# Altium PCB DM1098FFC.PcbDoc (part 1 of 3) (continued)
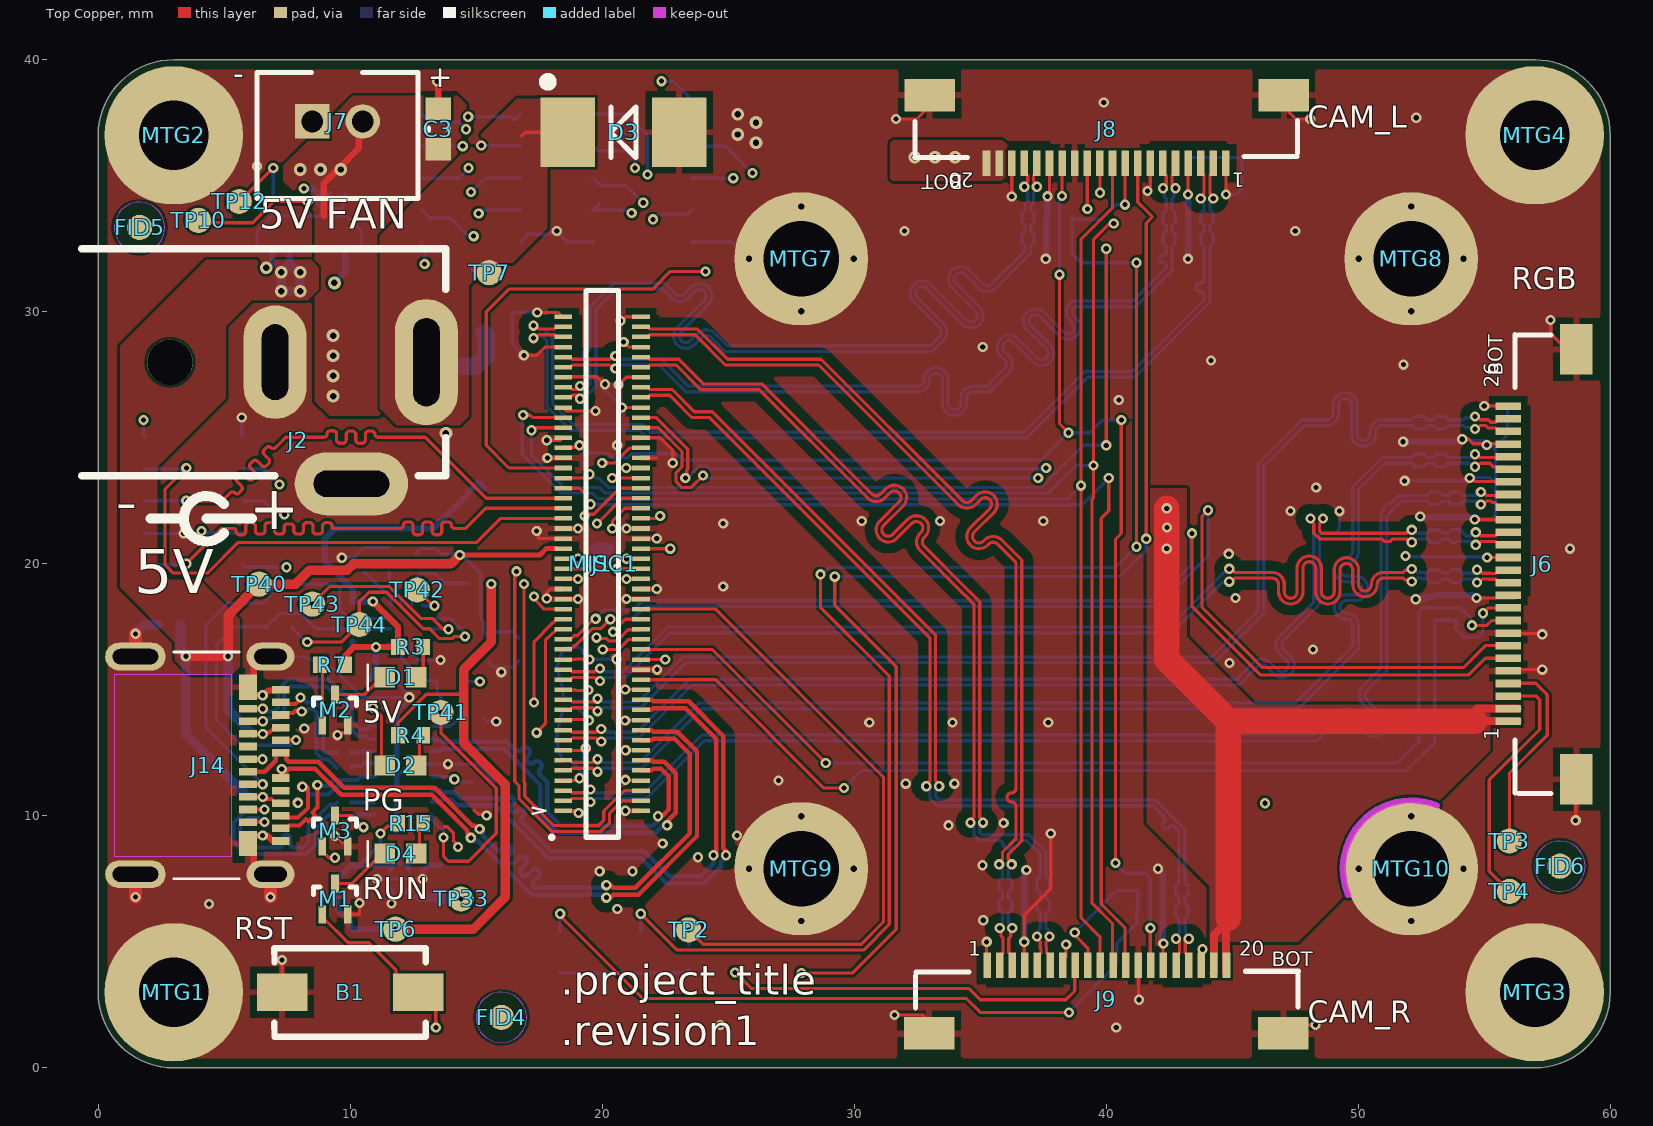
[diagram p0: Top Copper view]
## Part data (continued)
J3 J4 J5: "CONN HEADER SMD 10POS 1.27MM", Color=Black, Contact Resistance=30mR, Manufacturer 1="Amphenol FCI", Max Operating Temperature=85°C, Max Voltage Rating (AC)=125V, Min Operating Temperature=-40°C, Package Quantity=93, Supplier Part Number 1=609-6529-ND, ComponentLink1Description=https://datasheet.ciiva.com/18659/20021121-18659066.pdf?src-supplier=Digi-Key, ComponentLink1URL=https://datasheet.ciiva.com/18659/20021121-18659066.pdf?src-supplier=Digi-Key, ComponentLink2Description=https://datasheet.ciiva.com/10033/20021121-10033582.pdf?src-supplier=Avnet, ComponentLink2URL=https://datasheet.ciiva.com/10033/20021121-10033582.pdf?src-supplier=Avnet, Connector Type="Male Pin", Contact Material="Copper Alloy", Contact Mating Length=0.12inch, Contact Plating=Gold, Depth=3.4mm, Housing Color=Black, Housing Material=Thermoplastic, Length=6.35mm, Manufacturer Part Number 1=20021121-00010T1LF, Mount="Surface Mount", Number of Contacts=10, Number of Positions=10, Number of Rows=2, Orientation=Straight, Packaging=Rail/Tube, Pitch=1.27mm, Pricing 1="1=0.77000, 10=0.71800, 100=0.55040, 500=0.47860, 1000=0.39485, 5000=0.34699, 10000=0.32306 (USD)", RoHS=Yes, Row Spacing=0.05inch, Stock 1=1465, Supplier 1=Digi-Key, Supplier 2=Mouser, Supplier 3=TTI, Supplier Part Number 2=649-200211210010T1LF, Supplier Part Number 3=20021121-00010T1LF, Termination=Solder
J6: library part 5052782633, "0.5 Ffc Zif Btm Cont Embt Pkg 0.5 Fpc Zif Btm FS19", Current Rating=500mA, Flammability Rating="UL94 V-0", Manufacturer 1=Molex, Manufacturer Part Number 1=505278-2633, Max Operating Temperature=85°C, Min Operating Temperature=-40°C, Supplier Part Number 1=WM24290CT-ND, Voltage Rating=50V, Actuator Material=Nylon,Glass,Polyamide, Category=Connectors, ComponentLink1Description=http://www.molex.com/pdm_docs/sd/5052782633_sd.pdf?src-supplier=Digi-Key, ComponentLink1URL=http://www.molex.com/pdm_docs/sd/5052782633_sd.pdf?src-supplier=Digi-Key, Contact Material=Bronze, Contact Plating=Tin, Housing Material=Polymer, Mount="Surface Mount", Number of Positions=26, Packaging="Tape and Reel", Pitch=0.02inch, Pricing 1="1=0,85000, 10=0,70400, 100=0,58660, 1000=0,46928 (USD)", RoHS=Yes, Stock 1=8571, Supplier 1=Digi-Key, Termination=Solder
J7: "CONN HEADER VERT 2POS 2MM", Color=Natural, Contact Resistance=20mR, Current Rating=2A, Housing Color=White, Insulation Resistance=1MR, Manufacturer 1=JST, Max Operating Temperature=85°C, Max Voltage Rating (AC)=100V, Min Operating Temperature=-25°C, Supplier Part Number 1=455-1704-ND, ComponentLink1Description=https://datasheet.ciiva.com/6747/80560-6747392.pdf?src-supplier=Newark, ComponentLink1URL=https://datasheet.ciiva.com/6747/80560-6747392.pdf?src-supplier=Newark, ComponentLink2Description=https://datasheet.ciiva.com/11746/0900766b8082f551-11746676.pdf?src-supplier=RSComponents, ComponentLink2URL=https://datasheet.ciiva.com/11746/0900766b8082f551-11746676.pdf?src-supplier=RSComponents, ComponentLink3Description=https://datasheet.ciiva.com/8052/80560-8052022.pdf?src-supplier=Element14, ComponentLink3URL=https://datasheet.ciiva.com/8052/80560-8052022.pdf?src-supplier=Element14, ComponentLink4Description=https://datasheet.ciiva.com/712/eph-712442.pdf?src-supplier=Digi-Key, ComponentLink4URL=https://datasheet.ciiva.com/712/eph-712442.pdf?src-supplier=Digi-Key, ComponentLink5Description=https://datasheet.ciiva.com/16422/b2b-ph-k-slfsn-16422715.pdf?src-supplier=Future+Electronics, ComponentLink5URL=https://datasheet.ciiva.com/16422/b2b-ph-k-slfsn-16422715.pdf?src-supplier=Future+Electronics, Connector Type="Male Pin", Contact Material=Brass, Contact Mating Length=0.13inch, Contact Plating=Tin, Depth=4.5mm, Fastening Type=Detent, Gender=Male, Height=9.4mm, Housing Material=Polyamide, Lead Free="Lead Free", Lead Pitch=2mm, Length=5.9mm, Manufacturer Part Number 1=B2B-PH-K-S(LF)(SN), Max Current Rating=2A, Max Voltage Rating (DC)=100V, Mount="Through Hole", Number of Contacts=2, Number of Pins=2, Number of Poles=2, Number of Positions=2, Number of Rows=1, Orientation=Straight, Packaging=Bulk, Pitch=2mm, Pricing 1="1 = 0.170000, 10 = 0.162000, 100 = 0.100200, 500 = 0.082880, 1000 = 0.072520, 5000 = 0.062160, 10000 = 0.060440 (USD)", REACH SVHC="No SVHC", RoHS=Yes, Stock 1=216199, Supplier 1=Digi-Key, Termination=Solder, Voltage Rating=100V, Voltage Rating (AC)=100V, Width=4.5mm, Working Voltage=100V
J8 J9: library part 5052782033, "0.5 Ffc Zif Btm Cont Embt Pkg 0.5 Fpc Zif Btm FS19", Current Rating=500mA, Flammability Rating="UL94 V-0", Manufacturer 1=Molex, Manufacturer Part Number 1=505278-2033, Max Operating Temperature=85°C, Min Operating Temperature=-40°C, Voltage Rating=50V, Actuator Material=Nylon,Glass,Polyamide, Category=Connectors, ComponentLink1Description=http://www.molex.com/pdm_docs/sd/5052782033_sd.pdf?src-supplier=Digi-Key, ComponentLink1URL=http://www.molex.com/pdm_docs/sd/5052782033_sd.pdf?src-supplier=Digi-Key, Contact Material=Bronze, Contact Plating=Tin, Housing Material=Polymer, Mount="Surface Mount", Number of Positions=20, Packaging="Tape and Reel", Pitch=0.02inch, Pricing 1="1=0,71000, 10=0,59800, 100=0,46540, 1000=0,36564 (USD)", RoHS=Yes, Stock 1=13841, Supplier 1=Digi-Key, Termination=Solder
J14: library part 105450-0101, "CONN RCP USB3.1 TYPEC 24P SMD RA", Case/Package=0101, Current Rating=5A, Flammability Rating="UL94 V-0", Insulation Color=Black, Manufacturer 1=Molex, Max Operating Temperature=85°C, Min Operating Temperature=-30°C, Supplier Part Number 1=WM12856CT-ND, ComponentLink1Description=http://www.farnell.com/datasheets/2673427.pdf?src-supplier=Farnell, ComponentLink1URL=http://www.farnell.com/datasheets/2673427.pdf?src-supplier=Farnell, ComponentLink2Description=http://www.farnell.com/datasheets/2801634.pdf?src-supplier=Farnell, ComponentLink2URL=http://www.farnell.com/datasheets/2801634.pdf?src-supplier=Farnell, ComponentLink3Description=http://www.farnell.com/datasheets/2672741.pdf?src-supplier=Newark, ComponentLink3URL=http://www.farnell.com/datasheets/2672741.pdf?src-supplier=Newark, ComponentLink4Description=https://www.molex.com/pdm_docs/sd/1054500101_sd.pdf?src-supplier=Digi-Key, ComponentLink4URL=https://www.molex.com/pdm_docs/sd/1054500101_sd.pdf?src-supplier=Digi-Key, ComponentLink5Description=https://www.molex.com/pdm_docs/ps/PS-105448-001.pdf?src-supplier=Digi-Key, ComponentLink5URL=https://www.molex.com/pdm_docs/ps/PS-105448-001.pdf?src-supplier=Digi-Key, ComponentLink6Description=http://www.farnell.com/datasheets/2015275.pdf?src-supplier=Element14, ComponentLink6URL=http://www.farnell.com/datasheets/2015275.pdf?src-supplier=Element14, ComponentLink7Description=http://www.literature.molex.com/SQLImages/kelmscott/Molex/PDF_Images/987651-4081.PDF?src-supplier=Avnet, ComponentLink7URL=http://www.literature.molex.com/SQLImages/kelmscott/Molex/PDF_Images/987651-4081.PDF?src-supplier=Avnet, ComponentLink8Description=http://www.literature.molex.com/SQLImages/kelmscott/Molex/PDF_Images/987651-4081.PDF?src-supplier=Avnet+Asia, ComponentLink8URL=http://www.literature.molex.com/SQLImages/kelmscott/Molex/PDF_Images/987651-4081.PDF?src-supplier=Avnet+Asia, Connector Type=USB, Contact Material="Copper Alloy", Contact Plating=Gold, Features=Shielded, Gender=Receptacle, Housing Material=Thermoplastic, Length=8.94mm, Manufacturer Part Number 1=105450-0101, Mating Cycles=10000, Mount="Surface Mount,Through Hole,Horizontal", Number of Contacts=24, Number of Pins=24, Number of Ports=1, Number of Terminals=24, Orientation="Right Angle", Packaging="Tape and Reel", Pitch=0.5mm, Pricing 1="1=2.15000, 10=1.94900, 25=1.82960, 50=1.75000, 100=1.67050, 250=1.51140, 500=1.39208 (USD)", REACH SVHC=Unknown, RoHS=Yes, Shielding=Shielded, Stock 1=13882, Supplier 1=Digi-Key, Termination=Solder, USB Standard="USB 3.1"
M1 M2 M3: "MOSFET N-CH 20V 0.2A EMT3", Case/Package=SOT-89, Continuous Drain Current (ID)=200mA, Drain to Source Voltage (Vdss)=20V, Input Capacitance=25pF, Manufacturer 1=Rohm, Max Power Dissipation=150mW, Supplier Part Number 1=RE1C002UNTCLCT-ND, ComponentLink1Description=http://www.mouser.com/ds/2/348/re1c002untcl-e-1018231.pdf?src-supplier=Mouser, ComponentLink1URL=http://www.mouser.com/ds/2/348/re1c002untcl-e-1018231.pdf?src-supplier=Mouser, ComponentLink2Description=http://rohmfs.rohm.com/en/techdata_basic/transistor/taping/EMT3_TL_taping.pdf?src-supplier=Digi-Key, ComponentLink2URL=http://rohmfs.rohm.com/en/techdata_basic/transistor/taping/EMT3_TL_taping.pdf?src-supplier=Digi-Key, ComponentLink3Description=http://rohmfs.rohm.com/en/products/databook/datasheet/discrete/transistor/mosfet/re1c002un.pdf?src-supplier=Avnet, ComponentLink3URL=http://rohmfs.rohm.com/en/products/databook/datasheet/discrete/transistor/mosfet/re1c002un.pdf?src-supplier=Avnet, ComponentLink4Description=https://www.rohm.com/datasheet/RE1C002UN/re1c002untcl-e?src-supplier=Digi-Key, ComponentLink4URL=https://www.rohm.com/datasheet/RE1C002UN/re1c002untcl-e?src-supplier=Digi-Key, ComponentLink5Description=http://www.farnell.com/datasheets/2704376.pdf?src-supplier=Newark, ComponentLink5URL=http://www.farnell.com/datasheets/2704376.pdf?src-supplier=Newark, ComponentLink6Description=http://www.farnell.com/datasheets/2704376.pdf?src-supplier=Farnell, ComponentLink6URL=http://www.farnell.com/datasheets/2704376.pdf?src-supplier=Farnell, ComponentLink7Description=http://www.farnell.com/datasheets/2704376.pdf?src-supplier=Element14, ComponentLink7URL=http://www.farnell.com/datasheets/2704376.pdf?src-supplier=Element14, Lead Free="Lead Free", Manufacturer Part Number 1=RE1C002UNTCL, Mount="Surface Mount", Packaging="Tape and Reel", Pricing 1="1=0.20000, 10=0.18200, 100=0.09930, 500=0.06112, 1000=0.04167 (USD)", Rds On Max=1.2R, RoHS=Yes, Stock 1=868886, Supplier 1=Digi-Key
MISC1: library part BW1099_Footprint, "MISC - Use for aligning BW1099 mount"
MTG1 MTG2 MTG3 MTG4: "=CurrentFootprint", B - Value="Not a Part", A - Level=0
MTG7 MTG8 MTG9 MTG10: library part 9774030243R, "MP ROUND STANDOFF M2X0.4 STEEL 3MM", Manufacturer 1="Wurth Electronics", Supplier Part Number 1=732-7085-1-ND, ComponentLink1Description=http://www.mouser.com/ds/2/445/9774030243R-611455.pdf?src-supplier=Mouser, ComponentLink1URL=http://www.mouser.com/ds/2/445/9774030243R-611455.pdf?src-supplier=Mouser, ComponentLink2Description=http://www.farnell.com/datasheets/1960368.pdf?src-supplier=Farnell, ComponentLink2URL=http://www.farnell.com/datasheets/1960368.pdf?src-supplier=Farnell, ComponentLink3Description=https://katalog.we-online.de/em/datasheet/9774030243R.pdf?src-supplier=Digi-Key, ComponentLink3URL=https://katalog.we-online.de/em/datasheet/9774030243R.pdf?src-supplier=Digi-Key, ComponentLink4Description=http://www.farnell.com/datasheets/1960368.pdf?src-supplier=Newark, ComponentLink4URL=http://www.farnell.com/datasheets/1960368.pdf?src-supplier=Newark, ComponentLink5Description=http://www.farnell.com/datasheets/1960368.pdf?src-supplier=Element14, ComponentLink5URL=http://www.farnell.com/datasheets/1960368.pdf?src-supplier=Element14, Length=0.173inch, Manufacturer Part Number 1=9774030243R, Material=Steel, Outside Diameter=0.171inch, Plating=Tin, Pricing 1="1=0.95000, 10=0.91800, 50=0.79500, 100=0.73900 (USD)", REACH SVHC=Unknown, RoHS=Yes, Stock 1=20568, Supplier 1=Digi-Key, Supplier 2=Mouser, Supplier 3=Element14, Supplier Part Number 2=710-9774030243R, Supplier Part Number 3=2497599, Threaded/Unthreaded=Threaded
R2 R31 R32 R183 R185 R186 R213 R214 RZ28 RZ29: library part RC0402FR-1310KL, "RES SMD 10K OHM 1% 0402 1/16W Chip Resistor, 0402 [1005 Metric], 10 kohm, RC Series, 50 V, Thick Film, 62.5 mW", Case/Package=0402, Case Code (Metric)=1005, Manufacturer 1=Yageo, Max Operating Temperature=155°C, Min Operating Temperature=-55°C, Power Rating=62.5mW, Resistance=10kR, Supplier Part Number 1=67R9960, Temperature Coefficient=100ppm/°C, Tolerance=1%, Voltage Rating=50V, Case Code (Imperial)=0402, ComponentLink1Description=https://datasheet.ciiva.com/16940/pyu-rc0402-51-rohs-l-6-16940293.pdf?src-supplier=Avnet+Europe, ComponentLink1URL=https://datasheet.ciiva.com/16940/pyu-rc0402-51-rohs-l-6-16940293.pdf?src-supplier=Avnet+Europe, ComponentLink2Description=https://datasheet.ciiva.com/28386/pyu-rc0402-51-rohs-l-6-28386855.pdf?src-supplier=Avnet+Europe, ComponentLink2URL=https://datasheet.ciiva.com/28386/pyu-rc0402-51-rohs-l-6-28386855.pdf?src-supplier=Avnet+Europe, ComponentLink3Description=https://datasheet.ciiva.com/16740/pyu-rc0402-51-rohs-l-6-r-16740602.pdf?src-supplier=Future+Electronics, ComponentLink3URL=https://datasheet.ciiva.com/16740/pyu-rc0402-51-rohs-l-6-r-16740602.pdf?src-supplier=Future+Electronics, ComponentLink4Description=https://datasheet.ciiva.com/8891/pyu-rc0402-51-rohs-l-6-8891339.pdf?src-supplier=Avnet, ComponentLink4URL=https://datasheet.ciiva.com/8891/pyu-rc0402-51-rohs-l-6-8891339.pdf?src-supplier=Avnet, ComponentLink5Description=https://datasheet.ciiva.com/5557/pyu-rc0402-51-rohs-l-6-r-5557997.pdf?src-supplier=Mouser, ComponentLink5URL=https://datasheet.ciiva.com/5557/pyu-rc0402-51-rohs-l-6-r-5557997.pdf?src-supplier=Mouser, ComponentLink6Description=https://datasheet.ciiva.com/7983/1018594-7983533.pdf?src-supplier=Element14, ComponentLink6URL=https://datasheet.ciiva.com/7983/1018594-7983533.pdf?src-supplier=Element14, Composition="Thick Film", Contact Plating=Tin,Matte,Lead, Depth=0.5mm, Lead Free="Lead Free", Length=1mm, Manufacturer Part Number 1=RC0402FR-1310KL, Military Standard=Not, Number of Pins=2, Number of Terminations=2, Packaging="Tape and Reel", Pricing 1="1=0.10000, 25=0.01200, 100=0.00400, 250=0.00400, 500=0.00300, 1000=0.00300 (USD)", Radiation Hardening=No, REACH SVHC="No SVHC", RoHS=Yes, Stock 1=62239, Supplier 1=Newark, Termination=SMD/SMT, Voltage Rating (DC)=50V, Working Voltage=50V
R3 R4 R7 R15: library part RC0402FR-071KL, "RES SMD 1K OHM 1% 1/16W 0402 1 kOhms ±1% 0.063W, 1/16W Chip Resistor 0402 (1005 Metric) Moisture Resistant Thick Film", Case/Package=0402, Case Code (Metric)=1005, Manufacturer 1=Yageo, Max Operating Temperature=155°C, Min Operating Temperature=-55°C, Power Rating=62.5mW, Resistance=1kR, Supplier Part Number 1=311-1.00KLRCT-ND, Temperature Coefficient=100ppm/°C, Tolerance=1%, Voltage Rating=50V, Case Code (Imperial)=0402, ComponentLink1Description=https://datasheet.ciiva.com/11819/0900766b80c66297-11819477.pdf?src-supplier=RSComponents, ComponentLink1URL=https://datasheet.ciiva.com/11819/0900766b80c66297-11819477.pdf?src-supplier=RSComponents, ComponentLink2Description=https://datasheet.ciiva.com/12666/pyu-rc0402-51-rohs-l-6-r-12666741.pdf?src-supplier=Mouser, ComponentLink2URL=https://datasheet.ciiva.com/12666/pyu-rc0402-51-rohs-l-6-r-12666741.pdf?src-supplier=Mouser, ComponentLink3Description=https://datasheet.ciiva.com/17063/pyu-rc0402-51-rohs-l-6-r-17063193.pdf?src-supplier=Future+Electronics, ComponentLink3URL=https://datasheet.ciiva.com/17063/pyu-rc0402-51-rohs-l-6-r-17063193.pdf?src-supplier=Future+Electronics, ComponentLink4Description=https://datasheet.ciiva.com/22747/1018594-22747513.pdf?src-supplier=Element14, ComponentLink4URL=https://datasheet.ciiva.com/22747/1018594-22747513.pdf?src-supplier=Element14, ComponentLink5Description=https://datasheet.ciiva.com/7849/1018594-7849869.pdf?src-supplier=Element14, ComponentLink5URL=https://datasheet.ciiva.com/7849/1018594-7849869.pdf?src-supplier=Element14, ComponentLink6Description=https://datasheet.ciiva.com/7983/1018594-7983502.pdf?src-supplier=Element14, ComponentLink6URL=https://datasheet.ciiva.com/7983/1018594-7983502.pdf?src-supplier=Element14, ComponentLink7Description=https://datasheet.ciiva.com/7849/1018594-7849871.pdf?src-supplier=Element14, ComponentLink7URL=https://datasheet.ciiva.com/7849/1018594-7849871.pdf?src-supplier=Element14, Composition="Thick Film", Depth=0.5mm, Height=0.32mm, Lead Free="Lead Free", Length=1mm, Manufacturer Part Number 1=RC0402FR-071KL, Military Standard=Not, Number of Pins=2, Packaging="Tape and Reel", Pricing 1="1=0.10000, 10=0.01600, 100=0.00670, 1000=0.00301, 2500=0.00261, 5000=0.00215 (USD)", REACH SVHC=Unknown, RoHS=Yes, Stock 1=60695854, Supplier 1=Digi-Key, Termination=SMD/SMT, Voltage Rating (DC)=50V, Width=0.5mm
R6 R10 R12: library part CRCW06030000Z0EA, "RES SMD 0 OHM JUMPER 1/10W 0603 0 Ohms Jumper 0.1W, 1/10W Chip Resistor 0603 (1608 Metric) Automotive AEC-Q200 Thick Film", Case/Package=0603, Case Code (Metric)=1608, Current Rating=2A, Manufacturer 1=Vishay, Manufacturer Part Number 1=CRCW0603-0000Z0EA, Max Operating Temperature=155°C, Max Power Dissipation=100mW, Min Operating Temperature=-55°C, Package Quantity=1, Resistance=0mR, Supplier Part Number 1=541-0.0GCT-ND, Temperature Coefficient=100ppm/°C, Tolerance=5%, Voltage Rating=75V, Case Code (Imperial)=0603, ComponentLink1Description=https://datasheet.ciiva.com/2461/dcrcwe3-2461968.pdf?src-supplier=Digi-Key, ComponentLink1URL=https://datasheet.ciiva.com/2461/dcrcwe3-2461968.pdf?src-supplier=Digi-Key, ComponentLink2Description=https://datasheet.ciiva.com/2461/dcrcwe3-2461969.pdf?src-supplier=Digi-Key, ComponentLink2URL=https://datasheet.ciiva.com/2461/dcrcwe3-2461969.pdf?src-supplier=Digi-Key, ComponentLink3Description=https://datasheet.ciiva.com/2461/dcrcwe3-2461970.pdf?src-supplier=Digi-Key, ComponentLink3URL=https://datasheet.ciiva.com/2461/dcrcwe3-2461970.pdf?src-supplier=Digi-Key, ComponentLink4Description=https://datasheet.ciiva.com/8340/dcrcwe3-8340197.pdf?src-supplier=Avnet, ComponentLink4URL=https://datasheet.ciiva.com/8340/dcrcwe3-8340197.pdf?src-supplier=Avnet, ComponentLink5Description=https://datasheet.ciiva.com/16941/dcrcw-16941302.pdf?src-supplier=Avnet+Europe, ComponentLink5URL=https://datasheet.ciiva.com/16941/dcrcw-16941302.pdf?src-supplier=Avnet+Europe, ComponentLink6Description=https://datasheet.ciiva.com/16199/dcrcwe3-16199063.pdf?src-supplier=Future+Electronics, ComponentLink6URL=https://datasheet.ciiva.com/16199/dcrcwe3-16199063.pdf?src-supplier=Future+Electronics, ComponentLink7Description=https://datasheet.ciiva.com/16725/70201119-16725175.pdf?src-supplier=Allied+Electronics, ComponentLink7URL=https://datasheet.ciiva.com/16725/70201119-16725175.pdf?src-supplier=Allied+Electronics, ComponentLink8Description=https://datasheet.ciiva.com/26316/fld-crcw-e3-data-en-26316615.pdf?src-supplier=Distrelec, ComponentLink8URL=https://datasheet.ciiva.com/26316/fld-crcw-e3-data-en-26316615.pdf?src-supplier=Distrelec, ComponentLink9Description=https://datasheet.ciiva.com/5544/dcrcwe3-109170-5544344.pdf?src-supplier=Mouser, ComponentLink9URL=https://datasheet.ciiva.com/5544/dcrcwe3-109170-5544344.pdf?src-supplier=Mouser, ComponentLink10Description=https://datasheet.ciiva.com/7841/1720486-7841816.pdf?src-supplier=Element14, ComponentLink10URL=https://datasheet.ciiva.com/7841/1720486-7841816.pdf?src-supplier=Element14, ComponentLink11Description=https://datasheet.ciiva.com/7841/1720486-7841817.pdf?src-supplier=Element14, ComponentLink11URL=https://datasheet.ciiva.com/7841/1720486-7841817.pdf?src-supplier=Element14, ComponentLink12Description=https://datasheet.ciiva.com/7841/125364-7841818.pdf?src-supplier=Element14, ComponentLink12URL=https://datasheet.ciiva.com/7841/125364-7841818.pdf?src-supplier=Element14, ComponentLink13Description=https://datasheet.ciiva.com/16721/70201119-16721450.pdf?src-supplier=Allied+Electronics, ComponentLink13URL=https://datasheet.ciiva.com/16721/70201119-16721450.pdf?src-supplier=Allied+Electronics, Composition="Thick Film", Contact Plating=Tin,Lead, Depth=0.85mm, Features="Automotive AEC-Q200", Height=0.02inch, Lead Free="Lead Free", Length=1.55mm, Military Standard=Not, Mount="Surface Mount", Number of Terminations=2, Packaging="Tape and Reel", Power Rating=100mW, Pricing 1="1=0.100000, 10=0.034000, 25=0.024400, 50=0.018600, 100=0.013800, 250=0.010480, 500=0.008400, 1000=0.006180 (USD)", Radiation Hardening=No, REACH SVHC=Unknown, RoHS=Yes, Stock 1=742743, Supplier 1=Digi-Key, Termination=SMD/SMT, Voltage Rating (DC)=75V, Weight=7.1E-05oz, Width=0.033inch, Working Voltage=75V
R187 R190: library part CRCW04021M80FKED, "RES SMD 1.8M OHM 1% 1/16W 0402", Case/Package=0402, Case Code (Metric)=1005, Manufacturer 1=Vishay, Max Operating Temperature=155°C, Min Operating Temperature=-55°C, Package Quantity=10000, Power Rating=63mW, Resistance=1.8MR, Supplier Part Number 1=541-1.80MLCT-ND, Temperature Coefficient=100ppm/°C, Tolerance=1%, Voltage Rating=50V, Case Code (Imperial)=0402, ComponentLink1Description=https://datasheet.ciiva.com/11812/0900766b80d98824-11812579.pdf?src-supplier=RSComponents, ComponentLink1URL=https://datasheet.ciiva.com/11812/0900766b80d98824-11812579.pdf?src-supplier=RSComponents, ComponentLink2Description=https://datasheet.ciiva.com/16886/dcrcwe3-16886536.pdf?src-supplier=Avnet+Europe, ComponentLink2URL=https://datasheet.ciiva.com/16886/dcrcwe3-16886536.pdf?src-supplier=Avnet+Europe, ComponentLink3Description=https://datasheet.ciiva.com/7800/1697337-7800987.pdf?src-supplier=Element14, ComponentLink3URL=https://datasheet.ciiva.com/7800/1697337-7800987.pdf?src-supplier=Element14, ComponentLink4Description=https://datasheet.ciiva.com/16786/70201119-16786875.pdf?src-supplier=Allied+Electronics, ComponentLink4URL=https://datasheet.ciiva.com/16786/70201119-16786875.pdf?src-supplier=Allied+Electronics, ComponentLink5Description=https://datasheet.ciiva.com/22676/1700796-22676027.pdf?src-supplier=Element14, ComponentLink5URL=https://datasheet.ciiva.com/22676/1700796-22676027.pdf?src-supplier=Element14, ComponentLink6Description=https://datasheet.ciiva.com/7800/1697337-7800988.pdf?src-supplier=Element14, ComponentLink6URL=https://datasheet.ciiva.com/7800/1697337-7800988.pdf?src-supplier=Element14, ComponentLink7Description=https://datasheet.ciiva.com/26316/fld-crcw-e3-data-en-26316605.pdf?src-supplier=Distrelec, ComponentLink7URL=https://datasheet.ciiva.com/26316/fld-crcw-e3-data-en-26316605.pdf?src-supplier=Distrelec, ComponentLink8Description=https://datasheet.ciiva.com/8336/dcrcwe3-8336646.pdf?src-supplier=Avnet, ComponentLink8URL=https://datasheet.ciiva.com/8336/dcrcwe3-8336646.pdf?src-supplier=Avnet, Composition="Thick Film", Contact Plating=Tin, Depth=0.5mm, Height=0.35mm, Lead Free="Lead Free", Length=1mm, Manufacturer Part Number 1=CRCW04021M80FKED, Military Standard=Not, Mount="Surface Mount", Number of Pins=2, Packaging="Tape and Reel", Pricing 1="1=0.10000, 10=0.03800, 100=0.01540, 1000=0.00690, 2500=0.00599, 5000=0.00495 (USD)", Radiation Hardening=No, REACH SVHC=Unknown, RoHS=Yes, Stock 1=26061, Supplier 1=Digi-Key, Termination=SMD/SMT, Voltage Rating (DC)=50V, Weight=2.3E-05oz, Width=0.5mm
TP1 TP2 TP3 TP4 TP5 TP6 TP7 TP10 TP12 TP33 TP40 TP41 TP42 TP43 TP44: library part TEST_POINT
U1: "IC REG LINEAR 3.3V 200MA 4X2SON Linear Voltage Regulator IC  1 Output  200mA 4-X2SON (1x1)", Dropout Voltage=250mV, Manufacturer 1="Texas Instruments", Manufacturer Part Number 1=TLV70710DQN, Max Operating Temperature=125°C, Min Current Limit=240mA, Min Operating Temperature=-40°C, Output Current=200mA, Output Voltage=1V, Package Quantity=3000, Quiescent Current=25uA, Supplier Part Number 1=296-28355-1-ND, ComponentLink1Description=http://www.ti.com/lit/gpn/tlv707?src-supplier=Mouser, ComponentLink1URL=http://www.ti.com/lit/gpn/tlv707?src-supplier=Mouser, ComponentLink2Description=http://www.ti.com/lit/ds/symlink/tlv707.pdf?src-supplier=Digi-Key, ComponentLink2URL=http://www.ti.com/lit/ds/symlink/tlv707.pdf?src-supplier=Digi-Key, Lead Free="Lead Free", Mount="Surface Mount", Number of Regulators=1, Packaging="Tape and Reel", RoHS=Yes, Supplier 1=Digi-Key
U2 U3: library part LM66100DCKR, "IC OR CTRLR IDEAL DIODE SC70-6", Manufacturer 1="Texas Instruments", Supplier Part Number 1=296-53541-1-ND, Category="Integrated Circuits (ICs)", Lead Free="Lead Free", Manufacturer Part Number 1=LM66100DCKR, Pricing 1="1=0.41000, 10=0.32900, 25=0.30120, 100=0.20300, 250=0.16800, 500=0.15400, 1000=0.11550 (USD)", RoHS=Yes, Stock 1=8042, Supplier 1=Digi-Key, Supplier 2=Digi-Key, Supplier 3=Mouser, Supplier 4=Arrow, Supplier Part Number 2=296-53541-2-ND, Supplier Part Number 3=595-LM66100DCKR, Supplier Part Number 4=LM66100DCKR
U61: library part HD3SS3212RKSR, "IC MUX 2:1 8 OHM 20VQFN", Case/Package=VQFN, Manufacturer 1="Texas Instruments", Max Operating Temperature=70°C, Max Supply Voltage=3.6V, Min Operating Temperature=0°C, Min Supply Voltage=3V, Supplier Part Number 1=296-42174-1-ND, Bandwidth=8GHz, ComponentLink1Description=http://www.ti.com/general/docs/lit/getliterature.tsp?genericPartNumber=HD3SS3212&&fileType=pdf&src-supplier=Avnet, ComponentLink1URL=http://www.ti.com/general/docs/lit/getliterature.tsp?genericPartNumber=HD3SS3212&&fileType=pdf&src-supplier=Avnet, ComponentLink2Description=http://www.ti.com/general/docs/lit/getliterature.tsp?genericPartNumber=HD3SS3212&amp;&amp;fileType=pdf&src-supplier=Farnell, ComponentLink2URL=http://www.ti.com/general/docs/lit/getliterature.tsp?genericPartNumber=HD3SS3212&amp;&amp;fileType=pdf&src-supplier=Farnell, ComponentLink3Description=http://www.ti.com/lit/ds/symlink/hd3ss3212.pdf?src-supplier=Digi-Key, ComponentLink3URL=http://www.ti.com/lit/ds/symlink/hd3ss3212.pdf?src-supplier=Digi-Key, ComponentLink4Description=http://www.ti.com/lit/gpn/hd3ss3212?src-supplier=Mouser, ComponentLink4URL=http://www.ti.com/lit/gpn/hd3ss3212?src-supplier=Mouser, ComponentLink5Description=http://www.ti.com/general/docs/lit/getliterature.tsp?genericPartNumber=HD3SS3212&&fileType=pdf&src-supplier=Element14, ComponentLink5URL=http://www.ti.com/general/docs/lit/getliterature.tsp?genericPartNumber=HD3SS3212&&fileType=pdf&src-supplier=Element14, Data Rate=480Mbps, Lead Free="Lead Free", Manufacturer Part Number 1=HD3SS3212RKSR, Mount=Standard, Number of Pins=20, Number of Ports=3, Packaging="Tape and Reel", Pricing 1="1=1.79000, 10=1.61000, 100=1.29440, 500=1.06348, 1000=0.88117 (USD)", REACH SVHC="No SVHC", RoHS=Yes, Stock 1=36674, Supplier 1=Digi-Key, USB Standard="USB 3.1"
U62: library part TUSB321RWBR, "IC USB PORT CONTROL TYPE-C 12X2Q", Manufacturer 1="Texas Instruments", Max Operating Temperature=70°C, Max Supply Voltage=5.5V, Min Operating Temperature=0°C, Min Supply Voltage=4.5V, Supplier Part Number 1=296-42400-1-ND, ComponentLink1Description=http://www.ti.com/general/docs/lit/getliterature.tsp?genericPartNumber=TUSB321&&fileType=pdf&src-supplier=Avnet+Asia, ComponentLink1URL=http://www.ti.com/general/docs/lit/getliterature.tsp?genericPartNumber=TUSB321&&fileType=pdf&src-supplier=Avnet+Asia, ComponentLink2Description=http://www.ti.com/general/docs/lit/getliterature.tsp?genericPartNumber=TUSB321&&fileType=pdf&src-supplier=Farnell, ComponentLink2URL=http://www.ti.com/general/docs/lit/getliterature.tsp?genericPartNumber=TUSB321&&fileType=pdf&src-supplier=Farnell, ComponentLink3Description=http://www.ti.com/lit/ds/symlink/tusb321.pdf?src-supplier=Digi-Key, ComponentLink3URL=http://www.ti.com/lit/ds/symlink/tusb321.pdf?src-supplier=Digi-Key, ComponentLink4Description=http://www.ti.com/general/docs/lit/getliterature.tsp?genericPartNumber=TUSB321&&fileType=pdf&src-supplier=Element14, ComponentLink4URL=http://www.ti.com/general/docs/lit/getliterature.tsp?genericPartNumber=TUSB321&&fileType=pdf&src-supplier=Element14, ComponentLink5Description=http://www.ti.com/general/docs/lit/getliterature.tsp?genericPartNumber=TUSB321&&fileType=pdf&src-supplier=Avnet, ComponentLink5URL=http://www.ti.com/general/docs/lit/getliterature.tsp?genericPartNumber=TUSB321&&fileType=pdf&src-supplier=Avnet, Contact Plating=Gold, Lead Free="Lead Free", Manufacturer Part Number 1=TUSB321RWBR, Mount="Surface Mount", Number of Pins=12, Number of Ports=1, Packaging="Tape and Reel", Pricing 1="1=2.27000, 10=2.04200, 100=1.64100, 500=1.34828, 1000=1.11714 (USD)", REACH SVHC="No SVHC", RoHS=Yes, Stock 1=7746, Supplier 1=Digi-Key, USB Standard="USB 3.1"

## Via types
v1: diameter 0.406, hole 0.203, Top Copper to Bottom Layer, tented both sides, 332 vias
v2: diameter 0.508, hole 0.254, Top Copper to Bottom Layer, tented both sides, 21 vias
v3: diameter 0.508, hole 0.254, Top Copper to Bottom Layer, 16 vias

## Nets (pads, with @x,y where several pads share a name; then routed paths per layer and width w, separated by ;. In a path a pad name is that pad's centre, name@x,y a point inside that pad or via, vN(x,y) a via of type N, cw(c..) or ccw(c..) an arc to the next point about the centre after c; other vN are vias at no path point)
3.3VIN: C1.2 C74.2 R186.2 TP33.1 U1.1 U61.6 | length 15.2
  Signal Layer 1 w0.381: v1(14.135,11.452) 14.647,11.452 14.652,11.452 15.075,11.875 15.075,14.041 15.144,14.111 15.144,15.322 v1(15.147,15.325) ; v1(14.4,6.7) 16.024,8.324 16.024,10.189 14.706,11.506
  Bottom Layer w0.127: U1.1@12.3,6.98 12.512,6.768 12.75,6.768 ; U61.6@13.25,11.55 14.037,11.55 v1(14.135,11.452) 14.234,11.354 C74.2@14.834,11.354 ; R186.2@14.45,15.325 v1(15.147,15.325)
  Bottom Layer w0.381: 12.75,6.768 13.432,6.768 C1.2@13.5,6.7 v1(14.4,6.7)
5V_IN: C5.2 D3.1 J2.1 R6.1 TP7.1 | length 6.2
  Top Copper w0.127: 14.865,31.651 15.413,31.651 TP7.1@15.516,31.549 ; 16.802,36.978 16.946,37.122 D3.1@18.633,37.122
  Bottom Layer w0.7: J2.1@12.95,27.925 13.041,27.834 14.99,27.834 15.4,28.244 15.4,29.05 R6.1@15.3,29.15
2485_PGOOD: J1.37 J4.5 M3.1 | length 64.8
  Top Copper w0.127: M3.1@8.9,8.79 8.9,8.585 9.15,8.335 v1(9.4,8.335) v1@9.455,8.335 ; v1(17.4,13.3) 17.748,13.648 17.748,16.961 18.042,17.255 18.055,17.255 18.2,17.4 J1.37@18.46,17.4
  Signal Layer 1 w0.127: v1@9.491,8.326 9.491,8.244 9.954,7.781 9.954,7.622 10.455,7.122 10.455,7.12 10.681,6.893 12.284,6.893 13.177,6 14.823,6 17.4,8.577 v1(17.4,13.3)
  Layer 1 w0.127: v1(17.4,13.3) 17.4,13.32 17.668,13.588 17.668,17.811 16.197,19.282 16.197,20.499 10.246,26.45 10.246,34.79 14.324,38.868 21.632,38.868 v1(25.2,35.3)
  Bottom Layer w0.127: J4.5@23.55,35.3 v1(25.2,35.3)
2485_UART_RX: J1.4 J4.6 | length 49.6
  Top Copper w0.127: v1(16.6,19.7) 16.6,19.624 16.532,19.556 16.532,11.368 16.7,11.2 16.7,10.677 17.995,9.382 19.946,9.382 20.294,9.729 20.294,10.096 20.798,10.6 J1.4@21.54,10.6
  Layer 1 w0.127: v1(16.6,19.7) 16.6,20.42 10.475,26.545 10.475,34.695 14.341,38.561 17.397,38.561 v1(21.632,34.327)
  Bottom Layer w0.127: J4.6@19.65,35.3 19.944,35.006 20.952,35.006 v1(21.632,34.327)
2485_UART_TX: J1.6 J4.8 | length 48.4
  Top Copper w0.127: v1(16.9,19.2) 16.9,11.323 16.929,11.295 16.929,10.771 18.09,9.61 19.852,9.61 20.065,9.824 20.065,10.19 20.875,11 J1.6@21.54,11
  Layer 1 w0.127: v1(16.9,19.2) 16.953,19.253 16.953,19.533 16.968,19.547 16.968,20.375 10.703,26.64 10.703,34.6 14.435,38.333 17.221,38.333 20.464,35.089 20.464,34.619 v1(21.169,33.914)
  Bottom Layer w0.127: J4.8@19.913,34.293 J4.8@19.65,34.03 21.054,34.03 v1(21.169,33.914)
2485_WAKEUP: J1.41 J4.7 | length 36.4
  Top Copper w0.127: v1(17.3,18.7) 17.353,18.647 17.353,18.546 17.699,18.2 J1.41@18.435,18.2
  Layer 1 w0.127: v1(17.3,18.7) 17.3,20.366 10.932,26.734 10.932,34.506 14.53,38.104 16.835,38.104 20.004,34.935 20.004,34.496 21.056,33.444 21.802,33.444 22.016,33.659 v1(22.016,33.666)
  Bottom Layer w0.127: v1(22.016,33.666) 22.234,33.884 23.404,33.884 J4.7@23.55,34.03
AUX_IO1: J6.4 TP3.1 | length 7.8
  Top Copper w0.127: TP3.1@56,9 56,11.7 57.5,13.2 57.5,14.8 57.041,15.259 J6.4@56.328,15.259
AUX_IO2: J6.3 TP4.1 | length 9.7
  Top Copper w0.127: TP4.1@56,7 55.2,7.8 55.2,11.423 57.2,13.423 57.2,14.6 57.041,14.759 J6.3@56.328,14.759
AUX_IO_IRQ: J1.69 J4.3 | length 25.6
  Top Copper w0.127: J1.69@18.46,23.8 16.3,23.8 15.4,24.7 15.4,30 16.3,30.9 22,30.9 22.7,31.6 v1(24.1,31.6)
  Layer 1 w0.127: v1(24.1,31.6) 24.1,33.287 25.313,34.5 25.7,34.887 25.7,35.236 v1(25.966,35.502)
  Bottom Layer w0.127: J4.3@23.55,36.57 24.897,36.57 v1(25.966,35.502)
CAM_A_CLK_OUT: D10.5 D10.6 J1.28 J6.10 | length 43.2
  Top Copper w0.127: J1.28@21.565,15.4 24.5,15.4 28.8,11.1 v1(29.6,11.1) ; v1(54.95,18.037) 55.163,18.25 J6.10@55.95,18.25 ; J6.10@55.726,18.261 J6.10@55.728,18.259
  Bottom Layer w0.127: v1(29.6,11.1) 30.3,11.8 51.933,11.8 53.032,12.899 D10.6@53.032,17.759 D10.5@53.867,17.759 53.867,17.412 54.18,17.1 54.812,17.1 54.942,17.23 54.942,18.029 v1(54.95,18.037)
CAM_A_PWDN_N: D10.4 D10.7 J1.34 J6.9 | length 42.9
  Top Copper w0.127: J1.34@21.565,16.6 24.371,16.6 v1(28.871,12.1) ; v1(54.51,17.557) 55.098,17.557 55.292,17.75 J6.9@55.95,17.75 ; J6.9@55.728,17.759 J6.9@56.328,17.759
  Bottom Layer w0.127: v1(28.871,12.1) 51.565,12.1 52.397,12.933 52.397,18.1 52.557,18.259 D10.7@53.032,18.259 D10.4@53.867,18.259 54.05,18.259 54.456,17.853 54.456,17.61 v1(54.51,17.557)
CAM_B_CLK_OUT: D5.4 D5.7 D11.4 D11.7 J1.73 J8.14 J9.14 | length 57.1
  Top Copper w0.127: J1.73@18.435,24.6 18.461,24.627 v1@18.951,24.627 ; v1(38.145,31.472) 38.145,25.555 38.443,25.257 v1@38.5,25.257 ; v1(38.25,34.593) 38.25,35.15 38.25,35.75 J8.14@38.25,35.891 ; v1(40.368,8.132) 40.368,20.968 40.6,21.2 v1(40.6,25.7) ; J9.14@41.75,3.75 v1(41.75,5.545)
  Bottom Layer w0.127: v1(19.1,24.7) 19.1,24.624 19.263,24.462 19.263,24.4 20.196,24.4 20.396,24.2 21,24.2 21.168,24.368 22.953,24.368 23.209,24.112 37.412,24.112 v1(38.5,25.2) 39.348,25.2 39.848,25.7 v1(40.6,25.7) ; v1(38.145,31.472) D5.7@38.145,32.897 D5.4@38.145,33.732 38.145,34.412 38.25,34.517 v1(38.25,34.593) ; v1(40.368,8.132) 40.368,8.1 40.747,7.721 41.526,7.721 41.75,7.496 D11.7@41.75,7.041 D11.4@41.75,6.206 v1(41.75,5.545)
CAM_B_D_PWM: J1.65 J9.12 | length 42.8
  Top Copper w0.127: J1.65@18.435,23 J1.65@18.46,23 19.1,23 19.363,22.737 19.363,22.462 19.464,22.361 v1(19.54,22.361) v1@19.6,22.3 ; v1(40.1,23.4) 40.1,22.1 39.8,21.8 39.8,6.5 40.75,5.55 40.75,4.85 J9.12@40.75,3.75
  Bottom Layer w0.127: v1(19.54,22.361) 19.949,22.361 19.963,22.346 39.046,22.346 v1(40.1,23.4)
CAM_B_PWDN_N: J1.67 J8.12 | length 35
  Top Copper w0.127: J1.67@18.435,23.4 J1.67@18.46,23.4 19.27,23.4 19.425,23.554 v1(19.501,23.554) ; v1(39.25,34.08) J8.12@39.25,35.75 ; 39.25,35.15 J8.12@39.25,35.75 ; J8.12@39.25,36.25 J8.12@39.25,35.75 ; v1(40,24.7) v1(40,32.5)
  Signal Layer 1 w0.127: v1(39.25,34.08) 39.3,34.03 39.3,33.827 40,33.127 v1(40,32.5)
  Bottom Layer w0.127: v1(19.501,23.554) 19.576,23.554 19.732,23.399 19.869,23.399 20.236,23.032 37.453,23.032 37.668,23.247 37.668,23.268 39.1,24.7 v1(40,24.7)
CAM_L_C_N: D7.5 D7.6 J1.95 J8.2 | length 39.6
  Top Copper w0.127: v1(17.279,28.952) 17.355,28.952 17.488,29.086 18.114,29.086 18.2,29 J1.95@18.46,29 ; v1(44.248,34.493) 44.248,34.569 44.114,34.702 44.114,35.2 44.114,35.405 44.25,35.541 J8.2@44.25,35.891
  Bottom Layer w0.127: v1(17.279,28.952) 17.355,28.952 17.488,29.086 17.58,29.086 17.805,28.861 17.805,26.245 18.126,25.924 18.752,25.298 21.495,25.298 21.555,25.238 21.8,24.994 36.848,24.994 39.261,27.407 41.141,27.407 44.114,30.38 44.114,32.603 44.189,32.678 44.213,32.678 44.25,32.714 D7.6@44.25,32.897 44.25,33.079 44.213,33.116 44.189,33.116 44.114,33.19 44.114,33.438 44.189,33.513 44.213,33.513 44.25,33.549 D7.5@44.25,33.732 44.25,33.914 44.213,33.951 44.189,33.951 44.114,34.025 44.114,34.284 44.248,34.418 v1(44.248,34.493)
CAM_L_C_P: D7.4 D7.7 J1.97 J8.3 | length 39.6
  Top Copper w0.127: v1(17.279,29.448) 17.355,29.448 17.488,29.314 18.114,29.314 18.2,29.4 J1.97@18.46,29.4 ; J8.3@43.75,35.891 43.75,35.541 43.886,35.405 43.886,35.106 43.886,34.702 43.752,34.569 v1(43.752,34.493)
  Bottom Layer w0.127: v1(17.279,29.448) 17.355,29.448 17.488,29.314 17.675,29.314 18.034,28.955 18.034,26.34 18.134,26.24 18.847,25.527 21.59,25.527 21.895,25.222 36.754,25.222 39.167,27.635 41.046,27.635 43.886,30.474 43.886,30.584 43.886,30.647 ccw(c43.721,30.647) 43.721,30.812 ; 43.72,30.812 cw(c43.72,30.977) 43.72,31.143 ; 43.721,31.143 ccw(c43.721,31.308) 43.886,31.308 43.886,32.233 43.886,32.603 43.811,32.678 43.786,32.678 43.75,32.714 D7.7@43.75,32.897 43.75,33.079 43.786,33.116 43.811,33.116 43.886,33.19 43.886,33.438 43.811,33.513 43.786,33.513 43.75,33.549 D7.4@43.75,33.732 43.75,33.914 43.786,33.951 43.811,33.951 43.886,34.025 43.886,34.284 43.752,34.418 v1(43.752,34.493)
CAM_L_D0_N: D7.2 D7.9 J1.89 J8.5 | length 39.6
  Top Copper w0.127: J1.89@18.46,27.8 18.72,27.8 18.806,27.886 20.314,27.886 20.448,27.752 v1(20.523,27.752) ; v1(42.748,34.9) 42.717,34.9 42.614,35.003 42.614,35.2 42.614,35.405 42.75,35.541 J8.5@42.75,35.891
  Bottom Layer w0.127: v1(20.523,27.752) 20.599,27.752 20.732,27.886 22.254,27.886 22.709,27.431 23.317,26.822 31.267,26.822 32.509,26.822 ccw(c32.509,27.305) 32.991,27.305 cw(c33.245,27.305) 33.499,27.305 33.499,26.367 ccw(c33.982,26.367) 34.464,26.367 34.464,26.568 cw(c34.718,26.568) 34.718,26.822 34.896,26.822 35.375,26.822 36.001,27.448 36.126,27.573 ccw(c35.786,27.915) 36.16,28.219 36.16,28.223 36.127,28.256 ; 35.967,28.775 ccw(c36.147,28.595) 35.968,28.415 ; 35.968,28.415 36.126,28.257 ; 35.968,28.775 cw(c36.147,28.595) 36.327,28.774 37.098,28.004 ccw(c37.439,28.345) 37.814,28.649 37.814,28.652 37.781,28.686 ; 37.369,29.816 ccw(c37.189,29.637) 37.009,29.457 37.78,28.686 ; 37.369,29.816 38.139,29.046 ccw(c38.481,29.386) 38.856,29.691 38.856,29.694 38.823,29.727 ; 38.732,29.818 38.822,29.728 ; 38.731,29.819 cw(c38.911,29.999) 38.731,30.178 38.753,30.201 40.005,30.201 41.166,30.201 42.614,31.648 42.614,32.603 42.689,32.678 42.713,32.678 42.75,32.714 D7.9@42.75,32.897 42.75,33.079 42.713,33.116 42.689,33.116 42.614,33.19 42.614,33.438 42.689,33.513 42.713,33.513 42.75,33.549 D7.2@42.75,33.732 42.75,33.914 42.713,33.951 42.689,33.951 42.614,34.025 42.614,34.493 42.694,34.573 42.694,34.846 v1(42.748,34.9)